# Altium PCB iMX53_BB_PCB_V1I1.PcbDoc (part 5 of 9) (continued)
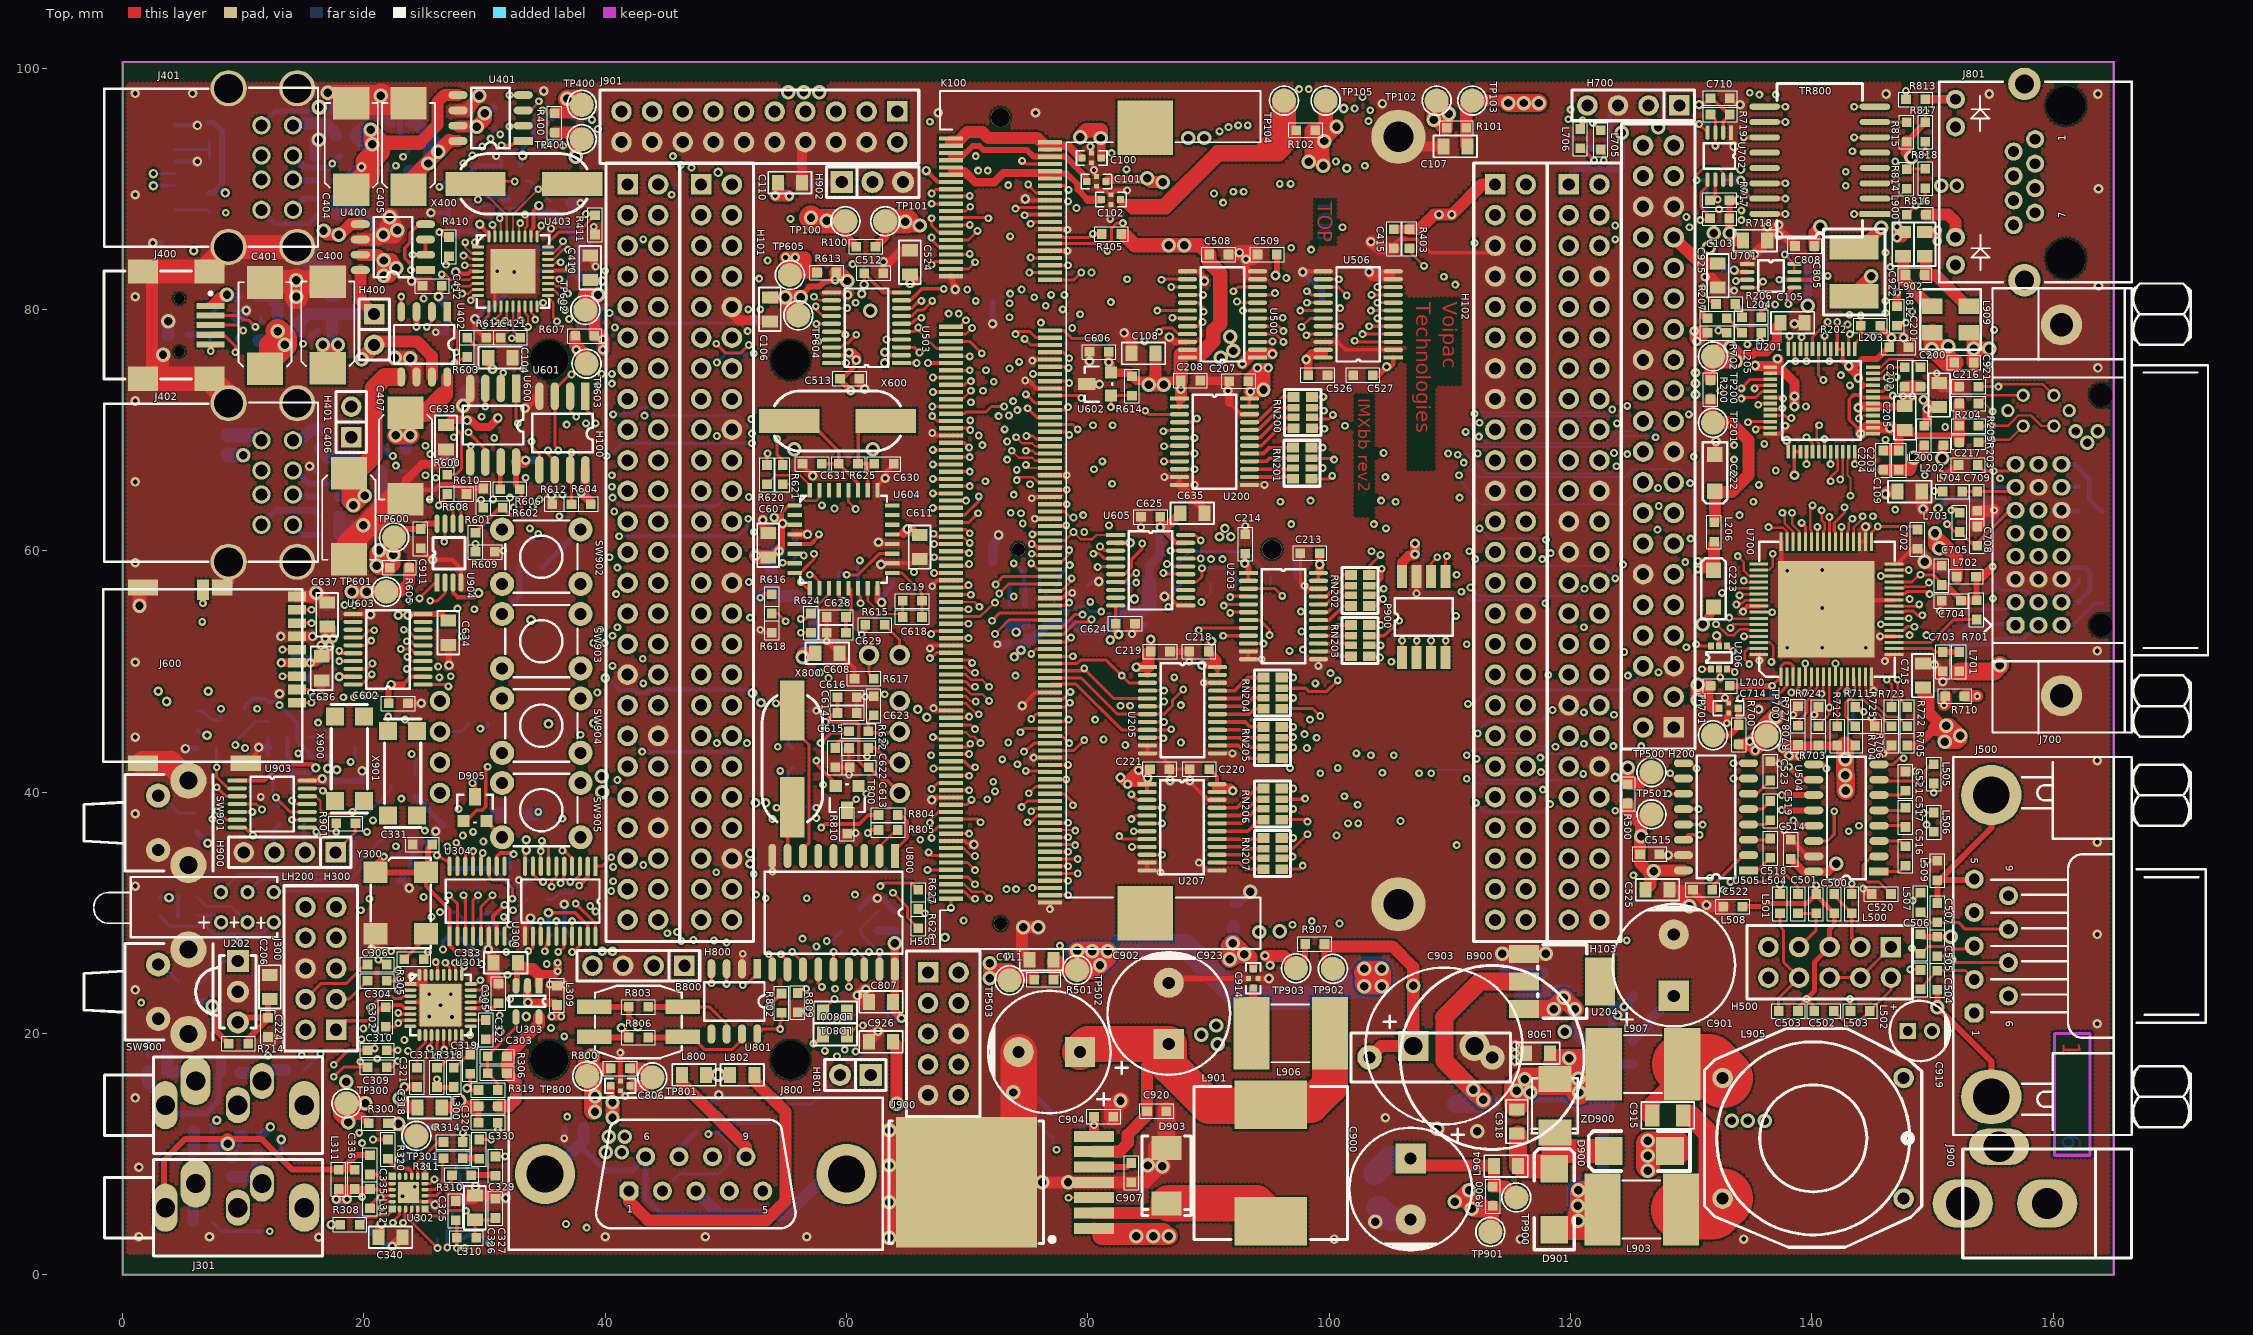
[diagram p0: Top view]
## Nets (pads, with @x,y where several pads share a name; then routed paths per layer and width w, separated by ;. In a path a pad name is that pad's centre, name@x,y a point inside that pad or via, vN(x,y) a via of type N, cw(c..) or ccw(c..) an arc to the next point about the centre after c; other vN are vias at no path point) (continued)
  Bottom w0.25: v1(112.3,44.85) 112.3,45 113.2,45.9 117.6,45.9 v1(118.5,46.8)
  other v1: 127.2,61.75
LDD23: H200.11 RN205.5 U201.48 U700.36 | length 105.5
  Top w0.2: U700.36@143.45,60.75 143.45,61.9 144.2,62.65 v1(144.2,62.85)
  Top w0.25: RN205.5@96.062,42.805 96.062,42.688 v1(96.75,42) ; U201.48@138.05,76.7 138.05,77.8 138.05,77.85 v1(138.15,77.8)
  SignalH w0.15: v1(117.65,59.3) 118.45,58.5 123.1,58.5 124.1,59.5 127.1,59.5 H200.11@128.55,58.05 ; v1(127.3,63.7) 127.85,64.25 134,64.25 134.75,63.5 135.45,63.5 136.25,64.3 141.05,64.3 142.3,63.05 142.95,63.05 143.123,63.223 143.827,63.223 v1(144.2,62.85) ; v1(138.15,77.8) 138.45,77.8 139.5,78.85 140.324,78.85 141.024,79.55 v1(143.1,79.55)
  SignalV w0.15: v1(117.5,42.85) 117.5,51.7 118.45,52.65 118.45,58.5 v1(117.65,59.3) ; v1(127.3,63.7) 127.3,62.736 127.85,62.186 127.85,61.5 127.447,61.097 127.447,59.153 ; 127.492,59.108 H200.11@128.55,58.05 ; v1(143.1,79.55) 144.5,78.15 144.5,74.05 143.212,72.763 143.212,70.788 143.4,70.6 143.4,69.4 144.7,68.1 144.7,66.5 144.45,66.25 144.45,63.1 v1(144.2,62.85)
  Power w0.15: v1(96.75,42) 97.6,42 98.8,43.2 101.4,43.2 102.25,44.05 111.8,44.05 112.65,43.2 116.9,43.2 117.25,42.85 v1(117.5,42.85)
LGPIO0: H200.31 RN207.7 T200.1 | length 175.2
  Top w0.25: RN207.7@96.062,35.3 97,35.3 v1(98.2,36.5)
  SignalH w0.15: v1(22.65,35.5) 24.65,33.5 38.337,33.5 39.05,32.787 40.463,32.787 v1(40.65,32.6) ; v1(49,27.7) 49.4,28.1 51.05,28.1 52,29.05 64.55,29.05 66.4,27.2 70.45,27.2 70.85,27.6 76.4,27.6 77.1,28.3 89.426,28.3 90.776,29.65 98.3,29.65 v1@98.55,29.4 ; v1(109.5,82.7) 110.95,82.7 112.05,81.6 123.65,81.6 124.15,82.1 127.15,82.1 128.48,83.43 H200.31@128.55,83.43
  SignalV w0.15: v1(49,27.7) 49.1,27.9 49.1,33.25 v1(49.2,33.35) ; v1(98.55,29.3) 98.55,34.5 98.2,34.85 v1(98.2,36.5) 98.85,37.15 98.85,41.15 v1(99.25,41.55) ; v1(107.45,41.55) 109.45,43.55 109.45,48.15 110.3,49 110.3,53.45 109.3,54.45 109.3,57.974 110.45,59.124 110.45,61.3 109.6,62.15 109.6,67.05 109,67.65 109,68.774 109.5,69.274 v1(109.5,82.7)
  Power w0.15: v1(40.65,32.6) 41.1,33.05 48.9,33.05 v1(49.2,33.35) ; v1(99.25,41.55) 99.8,41 106.9,41 v1(107.45,41.55)
  Bottom w0.25: v1(22.65,35.5) 22.9,35.25 T200.1@22.9,34.55
LGPIO1: H200.30 RN207.6 T201.1 | length 172.3
  Top w0.25: RN207.6@96.062,34.5 96.8,34.5 v1(96.95,34.65)
  SignalH w0.15: v1(25.05,36.8) 25.092,36.508 27.5,34.1 38.65,34.1 38.95,33.8 v1(40.65,33.8) ; v1(50.058,27.525) 50.2,27.8 51.25,27.8 52.15,28.7 64.4,28.7 66.2,26.9 70.574,26.9 70.974,27.3 76.55,27.3 77.2,27.95 89.5,27.95 90.9,29.35 96.6,29.35 v1(96.95,29) ; v1(110.45,82.05) 111.2,81.3 125.61,81.3 H200.30@126.01,80.9
  SignalV w0.15: v1(50.058,27.525) 49.98,27.57 50.22,27.57 51.7,29.05 51.7,32.6 v1(52.3,33.2) ; v1(96.95,29) v1(96.95,34.65) ; v1(110.45,82.05) 110.45,69.8 109.3,68.65 109.3,67.8 109.9,67.2 109.9,62.3 110.75,61.45 110.75,59 109.6,57.85 109.6,54.574 110.6,53.574 110.6,48.8 109.95,48.15 109.95,41.65 110.3,41.3 110.3,35.85 v1(110.55,35.6)
  Power w0.15: v1(40.65,33.8) 41.05,33.4 48.45,33.4 48.989,33.939 49.461,33.939 49.759,33.641 50.05,33.35 52.15,33.35 v1(52.3,33.2) ; v1(96.95,34.65) 97.9,35.6 v1(110.55,35.6)
  Bottom w0.25: T201.1@24.15,37.7 v1(25.05,36.8)
LINEIN_L: C309.1 C330.1 H300.7 L304.1 | length 57.1
  Top w0.25: v1(17.5,16.4) 18.3,17.2 C309.1@20.3,17.2 ; C330.1@29.55,11.2 30.45,11.2 v1(30.55,11.2)
  SignalH w0.15: v1(19.6,11.75) 20.043,12.193 21.407,12.193 22,11.6 27.15,11.6 27.92,12.37 28.73,12.37 29.9,11.2 v1(30.55,11.2)
  SignalV w0.15: v1(19.6,11.75) 19.6,12.926 18.85,13.676 18.85,15 19.549,15.699 19.7,15.85 v1(19.7,17.65)
  SignalV w0.25: v1(12.2,3.6) 13.25,4.65 13.25,7.25 14.7,8.7 ; 13.641,7.641 17.5,11.5 v1(17.5,16.4) 18.113,17.013 18.113,18.463 19,19.35 19,26.6 17.7,27.9 H300.7@17.7,27.92
  Bottom w0.25: L304.1@7.45,4.35 8.2,3.6 v1(12.2,3.6)
LINEIN_R: C310.1 C329.1 H300.8 L305.1 | length 48.7
  Top w0.25: v1(17.5,17.4) 18.7,18.6 C310.1@20.3,18.6 ; C329.1@30.9,9.8 31.6,9.8 v1(31.7,9.8)
  SignalH w0.15: v1(19.85,10.9) 19.85,11.1 20.567,11.817 21.233,11.817 21.812,11.238 27.912,11.238 29.35,9.8 v1(31.7,9.8)
  SignalV w0.15: v1(19.85,10.9) 20.2,11.25 20.2,12.75 19.15,13.8 19.15,14.75 20.25,15.85 20.25,17.9 v1(20.9,18.75)
  SignalV w0.25: v2(13.15,11.2) 15.6,11.2 16.8,12.4 16.8,16.7 v1(17.5,17.4) 17.5,18.15 16.387,19.263 16.387,26.663 15.16,27.89 H300.8@15.16,27.92
  Bottom w0.5: L305.1@12.8,9.95 13.15,10.3 v2(13.15,11.2)
LINEOUT_L: C304.1 H300.3 | length 3.2
  Top w0.25: H300.3@17.7,22.84 18.79,22.84 C304.1@20.3,24.35
LINEOUT_R: C306.1 H300.4 | length 6.3
  Top w0.25: H300.4@15.16,22.84 16.47,24.15 18.55,24.15 20.1,25.7 C306.1@20.3,25.7
LPWM: H200.32 RN207.8 | length 77.9
  Top w0.25: RN207.8@96.062,36.195 v1(97.014,36.195)
  SignalV w0.15: v1(97.014,36.195) 97.65,36.831 97.65,38.9 97.3,39.25 97.3,39.65 97.9,40.25 97.9,43.4 v1(98.15,43.65) ; v1(123.55,43.8) 123.55,44.6 124.25,45.3 124.25,48.05 123.55,48.75 123.55,54 124.3,54.75 124.3,57.894 123.75,58.444 123.75,65.15 124.45,65.85 124.45,67.3 124.15,67.6 124.15,68.9 124.4,69.15 124.4,70.85 124.1,71.15 124.1,81.05 126.01,82.96 H200.32@126.01,83.43
  Power w0.15: v1(98.15,43.65) 98.25,43.55 101.326,43.55 102.126,44.35 111.924,44.35 112.724,43.55 117.8,43.55 118.198,43.152 119.152,43.152 119.45,43.45 123.2,43.45 v1(123.55,43.8)
MIC: C311.1 H300.9 L306.1 R318.1 | length 41.8
  Top w0.4: C311.1@26.1,15.5 R318.1@27.5,15.5
  SignalH w0.4: v2(7.8,12.8) 8.6,12 10.5,12 13.2,14.7 13.2,15.65 14.3,16.75 14.85,16.75 ; v1(14.85,18.2) 14.85,16.75 ; v1(26.05,16.2) 25.95,16.3 20.65,16.3 19.248,14.898 17.652,14.898 15.8,16.75 14.85,16.75
  SignalV w0.4: v1(14.85,18.2) 13.8,19.25 13.8,28.4 14.6,29.2 16.5,29.2 17.7,30.4 H300.9@17.7,30.46
  Bottom w0.5: L306.1@7.5,11.85 7.5,12.5 v2(7.8,12.8)
MIC_BIAS: C319.1 H300.10 R318.2 U301.16 | length 28.1
  Top w0.25: R318.2@27.55,17.15 28.65,18.25 C319.1@28.8,18.25 C319.1@28.8,18.55 ; U301.16@28.1,19.95 U301.16@28.1,19.85 28.1,19.5 28.8,18.8 C319.1@28.8,18.55 ; v1(29.2,18.95) C319.1@28.8,18.55
  SignalH w0.25: H300.10@15.16,30.46 15.16,30.44 16.4,29.2 25.15,29.2 v1(25.6,29.65)
  SignalV w0.25: v1(25.6,29.65) 25.6,29.1 29.05,25.65 29.05,25.095 28.75,24.795 28.75,23.455 29.2,23.005 29.2,22.25 29.5,21.95 29.5,19.25 v1(29.2,18.95)
NetB700_2: B700.2 J700.17 U700.24 | length 18.9
  Top w0.25: U700.24@146.8,54.9 147.6,54.9 147.7,55 148.4,55 148.75,54.65 v1(149.15,54.65)
  SignalH w0.15: v1(149.15,54.65) 149.4,54.4 155.6,54.4 156,54.8 159.75,54.8 160.685,53.865 J700.17@160.685,53.825
  Bottom w0.3: J700.17@160.685,53.825 161.625,53.825 163.45,55.65 B700.2@164.1,55.65
NetB700_4: B700.4 J700.18 U700.25 | length 17.3
  Top w0.2: U700.25@146.8,55.4 148.75,55.4 v1(148.9,55.55)
  SignalH w0.15: v1(148.9,55.55) 150.45,55.55 150.95,56.05 v1(155,56.05) v1@155.05,56.05
  Power w0.15: v1(155,56.05) 155.2,56.2 155.65,56.65 159.6,56.65 160.52,55.73 J700.18@160.685,55.73
  Bottom w0.3: J700.18@160.685,55.73 160.685,55.935 162.1,57.35 B700.4@162.1,57.65
NetB701_2: B701.2 J700.9 U700.27 | length 31
  Top w0.25: U700.27@146.8,56.4 147.65,56.4 147.85,56.6 149.55,56.6 v1(149.75,56.4)
  SignalH w0.15: v1(149.5,53) 150.3,53.8 155.45,53.8 156.35,52.9 157.65,52.9 158.575,53.825 J700.9@158.78,53.825
  SignalV w0.15: v1(149.5,53) 149.75,53.25 v1(149.75,56.4)
  Bottom w0.2: J700.9@158.75,53.825 J700.9@158.78,53.825
  Bottom w0.3: B701.2@152.05,56.35 152.25,56.35 152.9,55.7 152.9,54.65 152.45,54.2 151.7,54.2 151.25,53.75 151.25,52.55 151.6,52.2 154.65,52.2 155.15,52.7 157.55,52.7 158.675,53.825 158.75,53.825 J700.9@158.78,53.825
  Bottom w0.5: J700.9@158.75,53.6 J700.9@158.75,53.825
NetB701_4: B701.4 J700.10 U700.28 | length 18.7
  Top w0.2: U700.28@146.8,56.9 147.6,56.9 147.7,57 149.35,57 v1(149.7,57.35)
  SignalH w0.15: v1(149.7,57.35) 150.15,56.9 155.524,56.9 155.774,56.65 157.75,56.65 158.67,55.73 J700.10@158.78,55.73
  Bottom w0.15: J700.10@158.72,55.73 J700.10@158.78,55.73
  Bottom w0.2: B701.4@154.05,58.35 155.7,56.7 157.75,56.7 J700.10@158.72,55.73
NetB702_2: B702.2 J700.1 U700.30 | length 21.5
  Top w0.25: v1(145.7,57.9) U700.30@146.8,57.9
  SignalH w0.15: v1(148.1,53) 148.7,53 149.8,54.1 156.6,54.1 J700.1@156.875,53.825
  SignalV w0.15: v1(145.7,57.9) 145.7,55.4 v1(148.1,53)
  Bottom w0.3: B702.2@152.05,53.15 152.25,53.15 153,53.9 156.8,53.9 J700.1@156.875,53.825
NetB702_4: B702.4 J700.2 U700.31 | length 16.4
  Top w0.25: U700.31@146.8,58.4 v1@148.027,58.4
  SignalH w0.15: v1(148.1,56) 148.208,56.108 149.242,56.108 149.5,55.85 150.32,55.85 151.07,56.6 155.4,56.6 156.27,55.73 J700.2@156.875,55.73
  SignalV w0.15: v1(148.027,58.4) 148.027,56 148.027,55.973 v1(148.1,56)
  Bottom w0.3: B702.4@154.05,55.15 156.295,55.15 J700.2@156.875,55.73
NetB703_2: B703.2 J700.24 U700.21 | length 35.9
  Top w0.15: v1@148.5,53.6 148.644,53.6 v1(148.5,53.7)
  Top w0.25: U700.21@146.8,53.4 147.6,53.4 147.9,53.7 v1(148.5,53.7)
  SignalH w0.15: v1(149.35,66.25) 150.05,66.25 150.65,65.65 151.65,65.65 153.25,67.25 155.55,67.25 156.4,68.1 159.6,68.1 160.54,67.16 J700.24@160.685,67.16
  SignalV w0.15: v1(148.5,53.7) 148.644,53.6 148.5,53.6 148,53.6 147.4,54.2 147.4,58.6 148.9,60.1 148.9,62.05 148.55,62.4 148.55,65.45 v1(149.35,66.25)
  Bottom w0.4: J700.24@160.685,67.16 161.74,67.16 163,65.9 163,64.25 163.95,63.3 B703.2@164.1,63.3
NetB703_4: B703.4 J700.23 U700.22 | length 27.7
  Top w0.15: v1@145.65,53.9 v1(145.7,53.9)
  Top w0.25: v1(145.7,53.9) U700.22@146.8,53.9
  SignalH w0.15: v1(146.9,63.4) 147.8,64.3 159.75,64.3 160.685,65.235 J700.23@160.685,65.255
  SignalV w0.15: v1(145.7,53.9) 145.1,54.45 145.1,58.126 146.65,59.676 146.65,63.15 v1(146.9,63.4)
  Bottom w0.4: J700.23@160.685,65.255 160.73,65.3 B703.4@162.1,65.3
NetB800_2: B800.2 J800.2 R801.2 R803.2 TS800.1 | length 31.2
  Top w0.5: B800.2@39.075,22.2 R803.2@41.95,22.2 41.95,21.3 v2(42.7,20.55)
  SignalH w0.25: v2(42.7,20.55) 42.7,17.4 48.5,11.6 v1@48.55,11.55
  Bottom w0.25: J800.2@44.738,6.932 46.156,8.35 49.4,8.35 50.3,9.25 50.3,10.8 TS800.1@49.35,11.75 ; v1(48.55,11.65) 48.6,11.75 TS800.1@49.35,11.75 ; R801.2@53.65,12.55 50.15,12.55 TS800.1@49.35,11.75
NetB800_4: B800.3 H801.1 J800.7 R806.2 TS800.2 | length 38
  Top w0.5: B800.3@39.075,19.7 39.125,19.65 R806.2@41.95,19.65 41.95,19.85 v2(41.35,20.45)
  SignalH w0.25: v2(41.35,20.45) 42.15,19.65 42.15,17.25 46.114,13.286 J800.7@46.114,9.768 47.196,10.85 50.1,10.85 51.492,12.242 57.492,12.242 ; 57.45,12.2 57.492,12.242 ; H801.1@62.05,16.6 62,16.6 61.85,16.6 57.492,12.242
  Bottom w0.5: J800.7@46.114,9.768 46.114,10.414 TS800.2@47.45,11.75
NetB900_1: B900.1 C903.1 D904.3 R907.1 TP902.1 | length 43.9
  Top w0.5: R907.1@99.55,27.45 105,27.45 ; R907.1@99.6,27.4 99.6,27.2 99.6,26.05 TP902.1@100.3,25.35
  Top w1: R907.1@99.6,27.2 105.25,27.2 106.96,25.49 v3(106.96,23.95) C903.1@106.96,18.95 104.3,18.95 103.35,18 B900.1@103.34,18
  SignalH w1: v3@106.96,23.94 109.66,23.94 111.6,22 116.55,22 118.4,20.15 v3(119.51,20.15)
  Bottom w1: v3(119.51,20.15) 120.4,20.15 121.5,19.05 D904.3@121.5,18.4 D904.3@121.26,18.4
NetC201_1: C201.1 U201.36 | length 4.5
  Top w0.2: U201.36@145.05,75.2 145.7,75.2 146.35,75.85 148.35,75.85 C201.1@149,75.2
NetC202_1: C202.1 U201.35 | length 2.9
  Top w0.2: U201.35@145.05,74.7 145.7,74.7 146.2,75.2 C202.1@147.7,75.2
NetC206_2: C206.2 C224.2 R214.2 U202.3 | length 7.3
  Top w0.5: U202.3@9.45,20.91 9.5,20.96 9.84,21.3 C224.2@12.05,21.3 ; R214.2@10.4,19.1 10.4,19.55 12.15,21.3 C224.2@12.05,21.3 ; C206.2@12.05,22.85 C224.2@12.05,21.3
NetC209_2: C209.2 C210.2 L202.2 U204.2 | length 152.9
  Top w0.8: v3@150.85,67.7 v3(150.8,67.65) 150.8,68.65 L202.2@150.9,68.75
  Top w1.5: 109.5,21.3 109.55,21.35 ; v3(112.75,14.5) v3(111.93,15.32) 109.55,17.7 109.55,21.35 ; U204.2@116.15,24.3 112.5,24.3 109.55,21.35
  SignalH w1: v3@150.55,67.6 150.65,67.5 150.9,67.25 151.55,67.25 152.3,68 152.3,68.15 ; v3@150.55,67.75 150.625,67.825 150.95,68.15 152.3,68.15 ; v3(162.8,68.95) 161.85,68.95 156.1,68.95 155.3,68.15 152.3,68.15
  SignalH w1.2: v3(161.85,69.9) 162.8,69.9 v3(163.7,69.9) 163.7,69.4 163.25,68.95 v3(162.8,68.95) v3(161.85,69.9)
  SignalV w0.35: 162.3,52.7 162.3,55.5
  SignalV w1: 161.5,51.4 162.15,52.05 162.15,55.35 162.3,55.5 162.85,56.05
  SignalV w2: v3(111.93,15.32) v3(112.75,14.5) 113.9,13.35 128.4,13.35 131.6,10.15 136.6,10.15 140,13.55 148.15,13.55 153.65,19.05 156.2,19.05 159,21.85 159,44.25 157.55,45.7 157.55,49.8 159.15,51.4 161.5,51.4 ; v3(162.8,68.95) v3@162.85,68.9 ; 162.85,56.05 v3@162.85,68.9 ; v3@163.4,69.75 162.8,69.75 162.2,69.75 162.85,69.1 162.85,68.95 v3@162.85,68.9
  Bottom w1.2: C209.2@111.109,14.5 v3(111.93,15.32) v3(112.75,14.5)
  Bottom w1.5: C209.2@110.5,14.15 111.93,14.15 112.75,14.15 113.4,14.15
NetC225_2: C225.2 R215.2 U208.6 | length 4.1
  Bottom w0.25: U208.6@4.35,93.25 7.2,93.25 ; C225.2@7.2,92.55 7.2,93.25 ; R215.2@7.2,93.85 7.2,93.25
NetC303_1: C303.1 R306.1 R319.2 U303.4 | length 7.4
  Top w0.25: R319.2@31.1,15.3 31.1,15.85 R306.1@30.25,16.7 30.25,18.15 32.6,20.5 U303.4@32.6,21.35
NetC303_2: C303.2 L300.2 R306.2 U303.5 | length 10
  Top w1: L300.2@31.1,13.95 32,13.95 32.6,14.55 32.6,15.95 R306.2@31.85,16.7 C303.2@31.85,18.1 34.5,20.75 U303.5@34.5,21.35
NetC304_2: C304.2 U301.12 | length 12
  Top w0.25: C304.2@21.85,24.35 22.75,24.35 v1(22.85,24.45) ; v1(26.05,18.1) 26.05,19.25 26.1,19.3 U301.12@26.1,19.85
  SignalH w0.25: v1(23.65,18.55) 24.1,18.1 v1(26.05,18.1)
  SignalV w0.15: v1(22.85,24.45) 24.05,23.25 24.05,18.95 v1(23.65,18.55)
NetC306_2: C306.2 U301.11 | length 14.7
  Top w0.25: v1(21.2,26.1) 21.6,25.7 C306.2@21.9,25.7 ; v1(25.45,18.75) 25.45,19.05 25.6,19.2 U301.11@25.6,19.85
  SignalH w0.15: v1(19.95,20.4) 20.5,19.85 21.55,19.85 21.7,20 23.85,20 25.1,18.75 v1(25.45,18.75)
  SignalV w0.15: v1(19.95,20.4) 21.35,21.8 21.35,25.95 v1(21.2,26.1)
NetC307_1: C307.1 C308.1 J300.3 L303.2 | length 13.2
  SignalH w0.2: J300.3@3.55,14.05 J300.3@4.25,13.35
  Bottom w0.25: L303.2@8.15,17.95 L303.2@8.2,17.95
  Bottom w0.5: J300.3@3.55,14.05 4.25,13.35 6.9,13.35 7.95,14.4 7.95,16.5 C308.1@8.15,16.7
  Bottom w0.8: C308.1@8.15,16.7 L303.2@8.15,17.95
  Bottom w1: C307.1@2.1,16.85 2.1,15.95 3.55,14.5 J300.3@3.55,14.05
NetC307_2: C307.2 J300.1 L301.2 | length 3.9
  Bottom w1: L301.2@3.7,18.1 C307.2@3.7,16.85 5.25,16.85 J300.1@6.05,16.05
NetC308_2: C308.2 J300.2 L302.2 | length 4.3
  Bottom w1: C308.2@9.75,16.7 10.9,16.7 J300.2@11.55,16.05 12.45,16.95 L302.2@13.45,16.95
NetC309_2: C309.2 U301.14 | length 8.3
  Top w0.25: C309.2@21.9,17.2 22.3,17.2 v1(22.8,17.7) ; U301.14@27.1,19.85 27.1,19.1 27.45,18.75 v1(27.45,18.5)
  SignalH w0.25: v1(22.8,17.7) 23.4,17.1 26.5,17.1 27.45,18.05 v1(27.45,18.5)
NetC310_2: C310.2 U301.13 | length 7.3
  Top w0.25: C310.2@21.9,18.6 v1(22.8,18.6) ; v1@26.6,18.7 U301.13@26.6,19.85
  SignalH w0.25: v1(22.8,18.6) 22.8,18.55 23.85,17.5 26.3,17.5 26.65,17.85 v1(26.65,18.65)
NetC311_2: C311.2 U301.15 | length 4.2
  Top w0.25: C311.2@26.05,17.15 26.2,17.15 26.906,17.856 27.656,17.856 28.05,18.25 28.05,18.8 27.6,19.25 U301.15@27.6,19.85
NetC312_2: C312.2 R301.1 U304.2 | length 4.9
  Top w0.25: v1(27.05,31.45) 27.75,30.75 U304.2@27.75,28.05
  Bottom w0.2: R301.1@27.05,30.85 v1(27.05,31.45) C312.2@27.05,32.05
NetC313_2: C313.2 R303.1 U304.4 | length 4.8
  Top w0.25: U304.4@29.05,28.05 29.05,31.05 v1(29.45,31.45)
  Bottom w0.25: R303.1@29.45,30.85 v1(29.45,31.45) C313.2@29.45,32.05
NetC314_2: C314.2 R304.1 U304.3 | length 4.7
  Top w0.25: v1(28.25,31.45) 28.4,31.3 U304.3@28.4,28.05
  Bottom w0.2: R304.1@28.25,30.85 v1(28.25,31.45) C314.2@28.25,32.05
NetC315_2: C315.2 R302.1 U304.5 | length 5
  Top w0.25: U304.5@29.7,28.05 29.7,30.5 v1(30.65,31.45)
  Bottom w0.2: R302.1@30.65,30.85 v1(30.65,31.45) C315.2@30.65,32.05
NetC316_2: C316.2 J301.1 L304.2 L306.2 | length 7.5
  Bottom w1: L304.2@5.85,4.45 5.85,7.35 J301.1@6.05,7.55 5.9,7.7 5.9,10.8 L306.2@5.9,11.85
NetC317_2: C317.2 J301.2 L305.2 | length 5.3
  Bottom w1: C317.2@9.05,8.1 11,8.1 J301.2@11.2,7.9 ; L305.2@11.2,9.95 J301.2@11.2,7.9 ; J301.2@11.2,7.9 J301.2@11.55,7.55 J301.2@11.2,7.9
NetC321_2: C321.2 U301.10 | length 3
  Top w0.25: C321.2@24.4,17.15 24.4,18.55 25.1,19.25 U301.10@25.1,19.85
NetC322_2: C322.2 U301.18 | length 1.2
  Top w0.25: U301.18@28.85,21.088 C322.2@30.088,21.088
NetC326_2: C326.2 C327.2 C328.2 L310.1 R309.2 U302.11 | length 16.1
  Top w0.25: U302.11@25.05,5.45 25.65,4.85 26.55,4.85 27,5.3 v1(28.45,5.3) C326.2@29.2,4.55 ; L310.1@29.3,3.05 29.2,3.15 C326.2@29.2,4.55 ; C327.2@30.9,4.7 30.75,4.55 C326.2@29.2,4.55
  Bottom w0.25: R309.2@26.05,11.2 26.55,11.2 26.8,10.95 27.85,10.95 28.55,10.25 28.55,5.4 v1(28.45,5.3)
NetC329_2: C329.2 R310.1 | length 2.1
  Top w0.25: 30.4,8.25 30.85,8.25 C329.2@30.9,8.2
  Top w0.5: R310.1@28.9,8.25 30.5,8.25
NetC330_2: C330.2 R311.1 | length 1.4
  Top w0.25: C330.2@29.5,9.65 C330.2@29.55,9.6
  Top w0.5: R311.1@28.2,9.65 C330.2@29.5,9.65
NetC335_1: C335.1 U302.2 | length 2.2
  Top w0.3: C335.1@20.5,8.3 21.1,8.3 21.6,7.8 21.85,7.55 U302.2@22.35,7.55
NetC337_2: C337.2 R309.1 R313.2 U302.16 | length 2.7
  Top w0.35: U302.16@25.05,8.15 v1(25.05,8.902)
  Bottom w0.25: C337.2@24.85,9.6 C337.2@25.05,9.4
  Bottom w0.5: C337.2@24.85,9.6 R313.2@26.05,9.6 ; v1(25.05,8.902) C337.2@25.05,9.4
NetC402_1: C402.1 H401.1 J400.5 L401.2 | length 19.1
  Top w0.3: J400.5@7.293,77.096 7.293,76.55 7.293,76.507 v1(7.3,76.55)
  SignalH w0.25: v1(7.3,76.55) 8.25,75.6 13.8,75.6 17.55,71.85 17.55,70.8 H401.1@18.95,69.4
  Bottom w0.25: C402.1@7.25,77.9 7.25,76.55 v1(7.3,76.55)
  Bottom w0.5: L401.2@5.4,77.9 C402.1@7.25,77.9
NetC402_2: C402.2 J400.1 L400.2 | length 7.1
  Top w0.3: J400.1@7.293,80.296 7.746,80.296 J400.1@8.046,80.296
  Top w0.5: J400.1@7.2,80.4 8,81.2 v3(8.65,81.2) J400.1@7.746,80.296
  Bottom w0.3: C402.2@7.25,79.5 v3@8.8,81.05
  Bottom w0.8: v3(8.65,81.2) 8.8,81.05 L400.2@9.65,81.05
NetC417_2: C417.2 R409.2 R410.1 U403.26 | length 19.1
  Top w0.2: U403.26@35.25,84.65 35.7,84.65 36.5,85.45 v1(36.5,85.65)
  Top w0.25: v1(26.25,86.4) 26.65,86 R410.1@27.05,86
  SignalH w0.15: v1(26.25,86.4) 26.55,86.1 29.6,86.1 30.05,85.65 v1(36.5,85.65)
  SignalV w0.2: v1(26.25,86.4) v1(26.25,90.15)
  Bottom w0.2: R409.2@25.7,85.95 25.8,85.95 v1(26.25,86.4) ; v1(26.25,90.15) 27.05,90.95 C417.2@27.05,91.15
NetC419_2: C419.2 C420.2 U403.34 | length 8.2
  Top w0.2: v1(31.25,87.55) 31.35,87.45 U403.34@31.35,86.05
  Bottom w0.2: C420.2@28.65,87.25 28.65,87.45 29.8,88.6 31,88.6 31.25,88.35 ; v1@31.3,87.6 v1(31.25,87.55) 31.25,88.35 ; C419.2@33.35,89.2 32.5,88.35 31.25,88.35
NetC421_2: C421.2 C422.2 U403.14 | length 6.3
  Top w0.2: v1(32.25,77.6) 32.9,77.6 C421.2@32.95,77.65 32.35,78.25 U403.14@32.35,80.25
  Bottom w0.2: v1(32.25,77.6) 32.4,77.75 32.4,80.1 C422.2@32.3,80.2
NetC423_2: C423.2 R414.2 U403.33 X400.1 | length 11.6
  Top w0.2: U403.33@31.85,86.05 31.85,87.8 29.45,90.2 X400.1@29.25,90.4 29.45,90.6 v1(32.5,90.6)
  Top w0.25: v1(29.45,89.1) X400.1@29.45,90.2
  Bottom w0.2: C423.2@28.6,88.6 28.95,88.6 v1(29.45,89.1) ; R414.2@31.8,90.6 v1(32.5,90.6)
NetC424_2: C424.2 R414.1 U403.32 X400.2 | length 10.6
  Top w0.2: U403.32@32.35,86.05 32.35,87.85 v1(34.45,89.95) 34.9,90.4 X400.2@37.25,90.4
  Bottom w0.2: R414.1@33.4,90.6 33.8,90.6 v1(34.45,89.95) 34.722,89.678 C424.2@35.5,88.9
NetC500_1: C500.1 C501.1 C502.1 C503.1 H500.5 L508.2 | length 20.3
  Top w0.25: v1(140.35,32.25) C501.1@140.35,31.55 C501.1@140.4,31.5
  Top w0.3: C503.1@138.9,21.8 138.9,22.2 v1(139.55,22.85) 140.2,22.2 C502.1@140.2,21.85
  Top w0.35: C501.1@140.35,31.45 C501.1@140.35,31.55
  Top w0.4: L508.2@134.25,30.5 135.9,30.5 136.15,30.75 139.55,30.75 C501.1@140.35,31.55 ; v1(139.55,22.85) 140.2,23.5 140.2,25.88 H500.5@141.47,27.15 141.47,28.62 141.85,29 C500.1@141.85,29.95 141.211,30.589 C501.1@140.35,31.45
  SignalV w0.25: v1(140.35,32.25) v1@140.35,32.35
NetC500_2: C500.2 H500.3 L500.2 | length 5.3
  Top w0.2: H500.3@144,27.15 H500.3@144.01,27.15
  Top w0.25: C500.2@141.85,31.55 141.85,31.4 L500.2@143.3,29.95 143.3,27.86 H500.3@144.01,27.15
NetC501_2: C501.2 H500.7 L504.2 | length 4.9
  Top w0.25: L504.2@138.85,29.95 C501.2@140.35,29.95 140.35,28.55 138.95,27.15 H500.7@138.93,27.15
NetC502_2: C502.2 H500.2 L503.1 | length 7.3
  Top w0.25: C502.2@141.8,21.85 142.8,20.85 143.8,20.85 L503.1@144.8,21.85 146.55,23.6 H500.2@146.55,24.61
NetC503_2: C503.2 H500.8 L501.1 | length 9.5
  Top w0.2: H500.8@138.93,24.57 H500.8@138.93,24.61 H500.8@138.93,24.62
  Top w0.25: C503.2@137.25,21.85 137.25,22.93 H500.8@138.93,24.61 138.93,24.62 137.65,25.9 137.65,28.55 137.35,28.85 L501.1@137.35,29.95
NetC504_1: C504.1 C505.1 C506.1 C507.1 J500.5 J500.10 J500.11 L509.2 | length 38.9
  Top w0.5: C506.1@149.05,28.15 149.2,28 v3(151.5,28) ; C504.1@150.4,23.6 v3(150.4,22.15) 154.87,17.68 J500.11@154.87,14.751 ; C507.1@150.4,30.8 L509.2@150.4,32.7 L509.2@150.55,32.7 ; J500.5@153.452,32.785 153.367,32.7 L509.2@150.55,32.7 ; J500.10@154.87,39.749 154.87,37.02 L509.2@150.55,32.7
  Power w0.5: v3(150.4,22.15) 150.4,26.9 v3(151.5,28) 151.5,30.833 J500.5@153.452,32.785
NetC504_2: C504.2 J500.2 L502.2 | length 5.5
  Top w0.25: L502.2@149.125,23.875 C504.2@150.45,25.2 ; C504.2@150.15,25.2 C504.2@150.45,25.2 ; J500.2@153.452,24.467 152.718,25.2 C504.2@150.45,25.2
NetC505_2: C505.2 J500.7 L505.2 | length 21.4
  Top w0.25: v1@150.1,39.848 v1(150.1,39.935) L505.2@150.1,40.7 ; C505.2@150.4,26.4 151.35,26.4 v1(151.636,26.114) 151.886,25.864 J500.7@156.288,25.864
  SignalV w0.15: v1(150.1,39.935) 150.1,39.321 150.1,39.024 150.1,27.65 v1(151.636,26.114)
NetC506_2: C506.2 J500.3 L506.2 | length 17.4
  Top w0.25: v1(148.3,27.05) 148.75,26.6 149.05,26.6 149.65,27.2 150.95,27.2 151.15,27 153.212,27 J500.3@153.452,27.239 ; v1(149.5,37.3) L506.2@150.1,36.7
  SignalV w0.15: v1(148.3,27.05) 148.95,27.7 148.95,36.75 v1(149.5,37.3)
NetC507_2: C507.2 J500.8 L507.2 | length 7.9
  Top w0.25: L507.2@149,30.05 149.85,29.2 152.15,29.2 152.714,28.636 J500.8@156.288,28.636
NetC516_1: C516.1 U504.3 | length 2.4
  Top w0.25: U504.3@145.55,35.94 147.31,35.94 C516.1@147.75,35.5
NetC516_2: C516.2 U504.1 | length 2.4
  Top w0.25: U504.1@145.55,33.4 147.25,33.4 C516.2@147.75,33.9
NetC517_1: C517.1 U504.5 | length 2.3
  Top w0.25: U504.5@145.55,38.48 147.53,38.48 C517.1@147.75,38.7
NetC517_2: C517.2 U504.4 | length 2.2
  Top w0.25: U504.4@145.55,37.21 147.64,37.21 C517.2@147.75,37.1
NetC518_1: C518.1 U505.3 | length 1.8
  Top w0.25: U505.3@134.75,36.04 136.44,36.04 C518.1@136.55,36.15
NetC518_2: C518.2 U505.1 | length 2.2
  Top w0.25: U505.1@134.75,33.5 135.5,33.5 C518.2@136.55,34.55
NetC519_1: C519.1 U505.5 | length 2.1
  Top w0.25: U505.5@134.75,38.58 135.88,38.58 C519.1@136.55,39.25
NetC519_2: C519.2 U505.4 | length 1.9
  Top w0.25: U505.4@134.75,37.31 136.21,37.31 C519.2@136.55,37.65
NetC520_2: C520.2 U504.2 | length 5.5
  Top w0.25: U504.2@145.55,34.67 144.97,34.67 144.25,33.95 144.25,32.9 144.6,32.55 145.55,32.55 C520.2@146.55,31.55
NetC521_2: C521.2 U504.6 | length 2.3
  Top w0.25: U504.6@145.55,39.75 147.4,39.75 C521.2@147.75,40.1
NetC522_2: C522.2 U505.2 | length 4.4
  Top w0.25: C522.2@131.75,31.9 131.75,32.2 134.32,34.77 U505.2@134.75,34.77
NetC523_2: C523.2 U505.6 | length 2.3
  Top w0.25: U505.6@134.75,39.85 135.45,39.85 C523.2@136.55,40.95
NetC618_1: C618.1 C619.1 U604.17 | length 5.1
  Top w0.25: U604.17@63.8,58.15 64.6,58.15 66.25,56.5 C618.1@66.25,54.5
NetC618_2: C618.2 C619.2 U604.15 | length 5.9
  Top w0.2: U604.15@61.75,56.9 61.75,55.85 62.85,54.75 64.4,54.75 C618.2@64.65,54.5
  Top w0.25: C618.2@64.65,54.5 C619.2@64.65,55.85
NetC620_1: C620.1 C621.1 U604.19 | length 6.5
  Top w0.25: v1(60,58) 60.95,58 62.7,59.75 U604.19@63.8,59.75
  Bottom w0.25: C620.1@59.35,56.9 C621.1@59.35,58.2 59.55,58.2 v1(60,58)
NetC620_2: C620.2 C621.2 U604.14 | length 5
  Top w0.25: U604.14@60.95,56.9 60.95,56.4 61.15,56.2 v1(61.15,55.65)
  Bottom w0.3: C620.2@60.95,56.9 60.95,59.05 v1(61.1,59.2) ; C620.2@61,56.9 61,55.8 v1(61.15,55.65)
NetC623_2: C623.2 J601.3 R622.2 | length 4.3
  Top w0.3: C623.2@62.25,46.35 61.8,45.9 61.8,44.9 64.3,44.9 J601.3@64.4,45
NetC628_2: C628.2 C629.2 U604.13 | length 4
  Top w0.25: C628.2@59.95,54.5 60.35,54.9 60.35,56.8 U604.13@60.2,56.95
  Top w0.3: C629.2@59.95,53.2 C628.2@59.95,54.5
NetC630_2: C630.2 R625.2 U604.26 X600.1 | length 9
  Top w0.3: U604.26@61.75,65 61.75,67.2 ; C630.2@62.3,67.2 R625.2@60.95,67.2 60.95,70.05 61.7,70.8 63.2,70.8 X600.1@63.25,70.75
NetC631_2: C631.2 R625.1 U604.27 X600.2 | length 10.4
  Top w0.3: X600.2@55.25,70.75 55.3,70.7 56.9,70.7 59.35,68.25 R625.1@59.35,67.2 ; C631.2@57.95,67.2 R625.1@59.35,67.2 ; U604.27@60.95,65 60.95,65.6 R625.1@59.35,67.2
NetC632_2: C632.2 U604.6 | length 1.8
  Top w0.25: U604.6@55.7,59.75 v1(56.45,59.6)
  Bottom w0.3: C632.2@55.65,59.35 56.05,59.75 v1(56.45,59.6)
NetC700_2: C700.2 C701.2 C702.2 L700.1 U700.1 U700.3 U700.12 U700.33 | length 39.4
  Top w0.15: v1@142.85,48.2 v1@142.95,48.25
  Top w0.25: v1(136.7,48.8) U700.1@137.45,49.55 137.45,50.45 137.7,50.7 138.2,50.7 138.45,50.45 U700.3@138.45,49.55 ; v1@142.95,48.25 142.95,48.35 U700.12@142.95,49.55 ; U700.33@144.95,60.75 144.95,61.5 v1(145.45,62) 148.5,62 C702.2@148.75,61.75 C702.2@148.9,61.75 ; v1@145.49,61.956 v1@145.502,61.967
  Top w0.5: L700.1@133.2,48.8 136.55,48.8 v1(136.7,48.8)
  SignalH w0.15: v1(136.7,48.8) 136.8,48.9 142.3,48.9 v1@142.85,48.35
  SignalV w0.15: v1(142.9,48.35) 142.9,59.15 145.45,61.7 v1(145.45,62)
  Bottom w0.25: v1@142.85,48.2 143.4,47.65 C701.2@143.4,45.45
  Bottom w0.5: C700.2@136.7,47.55 v1(136.7,48.8)
NetC703_2: C703.2 L701.1 U700.18 | length 5.1
  Top w0.25: U700.18@146.8,51.9 149.95,51.9 150.25,51.6 C703.2@150.85,51.6
  Top w0.5: C703.2@150.85,51.6 151.75,51.6
NetC707_2: C707.2 R713.2 U701.7 U701.8 | length 5
  Top w0.2: v1@137.753,84.547 U701.8@138.55,83.75 U701.7@138.55,83.1
  Bottom w0.25: C707.2@137.304,84.998 C707.2@137.35,84.952 ; C707.2@137.427,84.825 137.35,84.902 C707.2@137.35,84.952 ; R713.2@138.05,83.9 R713.2@138.05,84.251 ; R713.2@138.204,84.098 R713.2@138.05,84.251 ; C707.2@137.35,84.952 C707.2@137.35,85.1 137.6,85.1 137.953,84.747 138.05,84.65 138.05,84.548 R713.2@138.05,84.251 ; C707.2@137.35,84.952 v1(137.754,84.548) R713.2@138.05,84.251
NetC711_2: C711.2 R716.2 U702.7 U702.8 | length 7.5
  Top w0.2: v1(130.448,90.7) 130.448,91.148 131,91.7 132.25,91.7 132.65,91.3 U702.7@132.65,90.75 U702.8@133.3,90.75
  Bottom w0.25: v1(130.448,90.7) R716.2@131.3,90.7 131.3,88.4 C711.2@131.35,88.35
NetC712_2: C712.2 H700.2 L705.2 | length 7
  Top w0.25: v1(121.85,95.45) 122.45,94.85 L705.2@122.5,94.85
  SignalH w0.25: v1(121.85,95.45) 122.15,95.75 125.32,95.75 H700.2@126.47,96.9
  Bottom w0.25: v1(121.85,95.45) 122.45,94.85 C712.2@122.5,94.85
NetC713_2: C713.2 H700.4 L706.2 | length 2.9
  Top w0.25: L706.2@120.8,94.95 v1(121,95.65)
  SignalH w0.25: v1(121,95.65) 121.443,96.881 121.45,96.9 121.42,96.87 121.39,96.84 H700.4@121.39,96.9
  Bottom w0.25: C713.2@120.8,94.95 120.8,95 v1(121,95.65)
NetC802_2: C802.2 R811.2 U800.8 X800.1 | length 10.2
  Top w0.3: v1(54.2,38.7) 54.2,38.75 X800.1@55.5,38.75 55.11,38.36 U800.8@55.11,34.7
  Bottom w0.15: C802.2@55.15,38.75 C802.2@55.4,38.75
  Bottom w0.3: v1(54.2,38.7) C802.2@55.15,38.75 55.15,41.65 R811.2@55.5,42
NetC803_2: C803.2 R811.1 U800.7 X800.2 | length 19
  Top w0.25: X800.2@55.5,46.8 X800.2@55.5,46.75 55.5,45.3 56.9,43.9 56.9,35.8 56.38,35.28 U800.7@56.38,34.7
  Top w0.5: v1(54.15,47.35) 54.9,47.35 X800.2@55.5,46.75
  Bottom w0.3: C803.2@55.15,46.75 55.15,43.95 R811.1@55.5,43.6
  Bottom w0.5: v1(54.15,47.35) 54.55,47.35 C803.2@55.15,46.75